# KiCad board SP110Duo.kicad_pcb (continued)
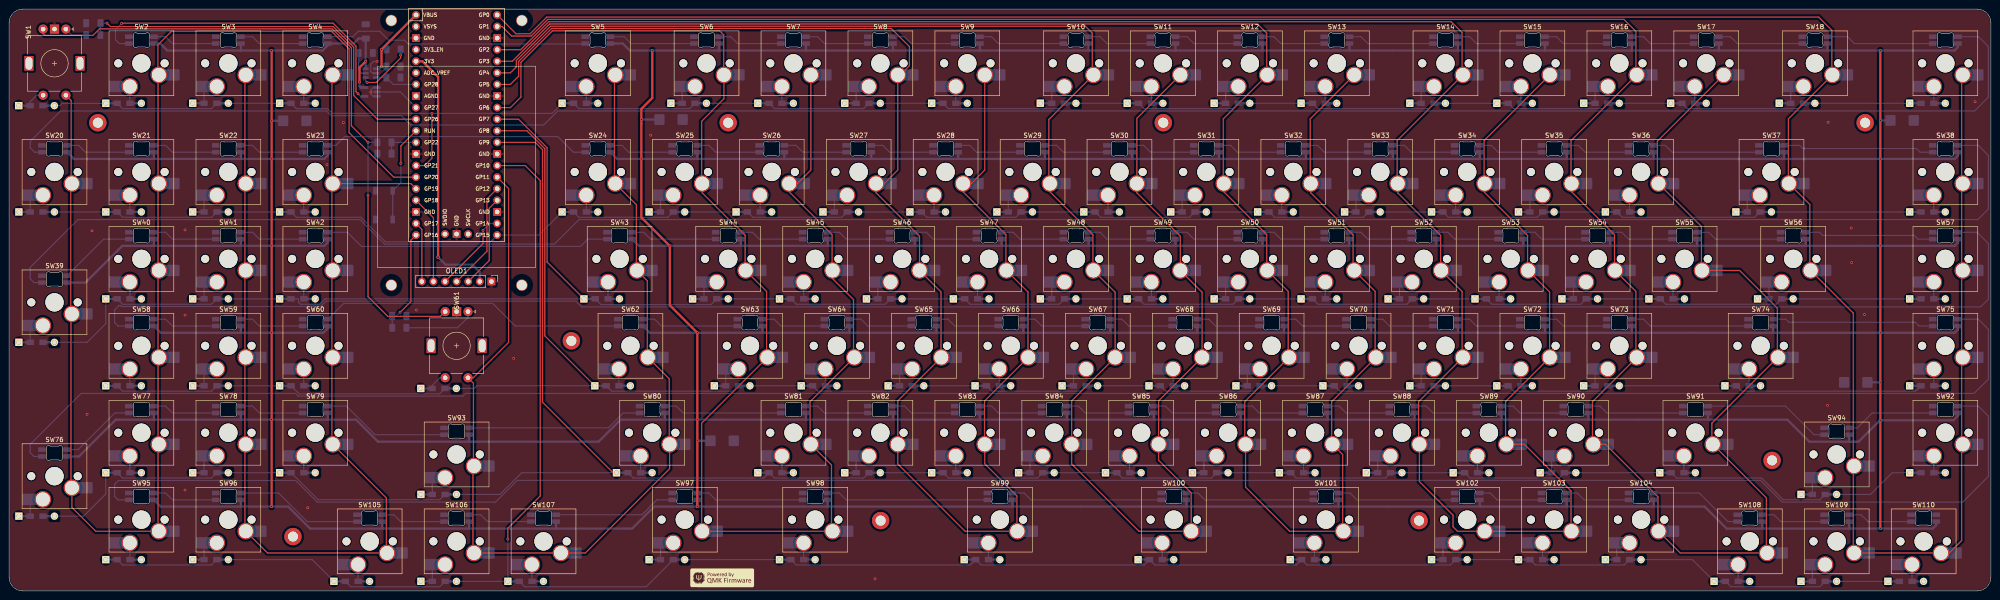
[diagram p0: board, top side]
## Routing (per net, layer and track width the routed paths; a pad name or vN(x,y) marks a point on that pad's centre or on a via; arc(x,y) is an arc through that point) (continued)
Net-(D12-K): length 3.7
  Bottom w0.25: D12.1 SW12.2
Net-(D13-A): length 3.7
  Bottom w0.25: D13.2 288.39,106.88 SW13.2
Net-(D14-K): length 3.7
  Bottom w0.25: SW14.2 D14.1
Net-(D15-A): length 3.7
  Bottom w0.25: SW15.2 331.25,106.88 D15.2
Net-(D16-K): length 3.7
  Bottom w0.25: SW16.2 D16.1
Net-(D17-A): length 3.7
  Bottom w0.25: D17.2 369.35,106.88 SW17.2
Net-(D18-K): length 3.7
  Bottom w0.25: SW18.2 390.38,106.86
Net-(D19-A): length 3.7
  Bottom w0.25: SW19.2 421.74,106.88 D19.2
Net-(D20-K): length 3.7
  Bottom w0.25: SW20.2 D20.1
Net-(D21-A): length 3.7
  Bottom w0.25: D21.2 26.45,83.07 SW21.2
Net-(D22-K): length 3.7
  Bottom w0.25: SW22.2 D22.1
Net-(D23-A): length 3.7
  Bottom w0.25: D23.2 64.55,83.07 SW23.2 64.57,86.71
Net-(D24-A): length 3.7
  Bottom w0.25: D24.2 126.47,83.07 SW24.2
Net-(D25-K): length 3.7
  Bottom w0.25: SW25.2 142.74,83.05
Net-(D26-A): length 3.7
  Bottom w0.25: SW26.2 164.56,83.07 D26.2
Net-(D27-K): length 3.7
  Bottom w0.25: SW27.2 180.83,83.05
Net-(D28-A): length 3.7
  Bottom w0.25: D28.2 202.67,83.07 SW28.2
Net-(D29-K): length 3.7
  Bottom w0.25: D29.1 SW29.2
Net-(D30-A): length 3.7
  Bottom w0.25: SW30.2 240.79,86.71 D30.2
Net-(D31-K): length 3.7
  Bottom w0.25: D31.1 SW31.2
Net-(D32-A): length 3.7
  Bottom w0.25: D32.2 278.87,83.07 SW32.2
Net-(D33-K): length 3.7
  Bottom w0.25: SW33.2 D33.1
Net-(D34-A): length 3.7
  Bottom w0.25: SW34.2 316.96,83.07 D34.2
Net-(D35-K): length 3.7
  Bottom w0.25: SW35.2 D35.1
Net-(D36-A): length 3.7
  Bottom w0.25: SW36.2 355.06,83.07 D36.2
Net-(D37-K): length 3.7
  Bottom w0.25: D37.1 SW37.2
Net-(D38-A): length 3.7
  Bottom w0.25: D38.2 421.74,83.07 SW38.2
Net-(D39-K): length 3.7
  Bottom w0.25: SW39.2 D39.1
Net-(D40-A): length 3.7
  Bottom w0.25: D40.2 26.47,67.66 SW40.2
Net-(D41-K): length 3.7
  Bottom w0.25: SW41.2 D41.1
Net-(D42-A): length 3.7
  Bottom w0.25: D42.2 64.55,64.02 SW42.2 64.57,67.66
Net-(D43-A): length 3.7
  Bottom w0.25: SW43.2 131.23,64.02 D43.2
Net-(D44-K): length 3.7
  Bottom w0.25: SW44.2 D44.1
Net-(D45-A): length 3.7
  Bottom w0.25: SW45.2 174.09,64.02 D45.2
Net-(D46-K): length 3.7
  Bottom w0.25: SW46.2 D46.1
Net-(D47-A): length 3.7
  Bottom w0.25: D47.2 212.19,64.02 SW47.2 212.21,67.66
Net-(D48-K): length 3.7
  Bottom w0.25: D48.1 SW48.2
Net-(D49-A): length 3.7
  Bottom w0.25: SW49.2 250.29,64.02 D49.2
Net-(D50-K): length 3.7
  Bottom w0.25: SW50.2 D50.1
Net-(D51-A): length 3.7
  Bottom w0.25: D51.2 288.39,64.02 SW51.2
Net-(D52-K): length 3.7
  Bottom w0.25: D52.1 SW52.2
Net-(D53-A): length 3.7
  Bottom w0.25: D53.2 326.49,64.02 SW53.2
Net-(D54-K): length 3.7
  Bottom w0.25: SW54.2 D54.1
Net-(D55-A): length 3.7
  Bottom w0.25: D55.2 364.59,64.02 SW55.2
Net-(D56-K): length 3.7
  Bottom w0.25: SW56.2 D56.1
Net-(D57-A): length 3.7
  Bottom w0.25: D57.2 421.74,64.02 SW57.2
Net-(D58-A): length 3.7
  Bottom w0.25: D58.2 26.45,44.97 SW58.2
Net-(D59-K): length 3.7
  Bottom w0.25: SW59.2 D59.1
Net-(D60-A): length 3.7
  Bottom w0.25: D60.2 64.55,44.97 SW60.2
Net-(D61-K): length 4.2
  Bottom w0.25: D61.1 92.7,45.01 94.4,46.71 SW61.S1
Net-(D62-A): length 3.7
  Bottom w0.25: D62.2 133.61,44.97 SW62.2
Net-(D63-K): length 3.7
  Bottom w0.25: SW63.2 D63.1
Net-(D64-A): length 3.7
  Bottom w0.25: SW64.2 178.85,44.97 D64.2
Net-(D65-K): length 3.7
  Bottom w0.25: D65.1 SW65.2
Net-(D66-A): length 3.7
  Bottom w0.25: D66.2 216.95,44.97 SW66.2
Net-(D67-K): length 3.7
  Bottom w0.25: D67.1 SW67.2
Net-(D68-A): length 3.7
  Bottom w0.25: D68.2 255.05,44.97 SW68.2
Net-(D69-K): length 3.7
  Bottom w0.25: D69.1 SW69.2
Net-(D70-A): length 3.7
  Bottom w0.25: D70.2 293.15,44.97 SW70.2
Net-(D71-K): length 3.7
  Bottom w0.25: D71.1 SW71.2
Net-(D72-A): length 3.7
  Bottom w0.25: SW72.2 331.25,44.97 D72.2
Net-(D73-K): length 3.7
  Bottom w0.25: D73.1 SW73.2
Net-(D74-A): length 3.7
  Bottom w0.25: SW74.2 381.26,44.97 D74.2
Net-(D75-A): length 3.7
  Bottom w0.25: SW75.2 421.74,44.97 D75.2
Net-(D76-K): length 3.7
  Bottom w0.25: SW76.2 D76.1
Net-(D77-A): length 3.7
  Bottom w0.25: D77.2 26.45,25.92 SW77.2
Net-(D78-K): length 3.7
  Bottom w0.25: D78.1 SW78.2
Net-(D79-A): length 3.7
  Bottom w0.25: D79.2 64.55,25.92 SW79.2
Net-(D80-A): length 3.7
  Bottom w0.25: SW80.2 138.37,25.92 D80.2
Net-(D81-A): length 3.7
  Bottom w0.25: D81.2 169.33,25.92 SW81.2
Net-(D82-K): length 3.7
  Bottom w0.25: SW82.2 D82.1
Net-(D83-A): length 3.7
  Bottom w0.25: SW83.2 207.43,25.92 D83.2
Net-(D84-K): length 3.7
  Bottom w0.25: D84.1 SW84.2
Net-(D85-A): length 3.7
  Bottom w0.25: D85.2 245.53,25.92 SW85.2
Net-(D86-K): length 3.7
  Bottom w0.25: D86.1 SW86.2
Net-(D87-A): length 3.7
  Bottom w0.25: SW87.2 283.63,25.92 D87.2
Net-(D88-K): length 3.7
  Bottom w0.25: D88.1 SW88.2
Net-(D89-A): length 3.7
  Bottom w0.25: SW89.2 321.73,25.92 D89.2
Net-(D90-K): length 3.7
  Bottom w0.25: D90.1 SW90.2
Net-(D91-A): length 3.7
  Bottom w0.25: SW91.2 366.97,25.92 D91.2
Net-(D92-A): length 3.7
  Bottom w0.25: SW92.2 421.74,25.92 D92.2
Net-(D93-K): length 3.7
  Bottom w0.25: D93.1 SW93.2
Net-(D94-K): length 3.7
  Bottom w0.25: SW94.2 D94.1
Net-(D95-A): length 3.7
  Bottom w0.25: D95.2 26.45,6.87 SW95.2
Net-(D96-K): length 3.7
  Bottom w0.25: SW96.2 D96.1
Net-(D97-K): length 3.7
  Bottom w0.25: SW97.2 142.74,6.85
Net-(D98-A): length 3.7
  Bottom w0.25: D98.2 174.09,6.87 SW98.2
Net-(D99-A): length 3.7
  Bottom w0.25: SW99.2 214.57,6.87 D99.2
Net-(D100-A): length 3.7
  Bottom w0.25: SW100.2 252.67,6.87 D100.2
Net-(D101-A): length 3.7
  Bottom w0.25: D101.2 286.01,6.87 SW101.2
Net-(D102-K): length 3.7
  Bottom w0.25: D102.1 SW102.2
Net-(D103-A): length 3.7
  Bottom w0.25: SW103.2 336.01,6.87 336.04,6.85
Net-(D104-K): length 3.7
  Bottom w0.25: SW104.2 D104.1
Net-(D105-A): length 3.7
  Bottom w0.25: D105.2 76.46,2.11 SW105.2 76.48,5.75
Net-(D106-K): length 3.7
  Bottom w0.25: SW106.2 D106.1
Net-(D107-A): length 3.7
  Bottom w0.25: D107.2 114.56,2.11 SW107.2
Net-(D108-A): length 3.7
  Bottom w0.25: SW108.2 378.88,2.11 D108.2
Net-(D109-K): length 3.7
  Bottom w0.25: SW109.2 D109.1
Net-(D110-A): length 3.7
  Bottom w0.25: SW110.2 416.98,2.11 D110.2
Net-(SW2-DOUT): length 14.2
  Bottom w0.25: SW3.5 35.78,119.95 34.28,121.45 SW2.4
Net-(SW3-DOUT): length 14.2
  Bottom w0.25: SW3.4 53.33,121.45 54.83,119.95 SW4.5
Net-(SW4-DOUT): length 58.1
  Bottom w0.25: SW5.5 126.17,119.87 87.44,119.87 86.63,120.68 83.18,120.68 81.19,122.66 76.52,122.66 75.31,121.45 SW4.4
Net-(SW5-DOUT): length 18.9
  Bottom w0.25: SW5.4 134.75,121.45 136.25,119.95 SW6.5
Net-(SW6-DOUT): length 14.2
  Bottom w0.25: SW6.4 158.1,121.45 159.6,119.95 SW7.5
Net-(SW7-DOUT): length 14.2
  Bottom w0.25: SW8.5 178.65,119.95 177.15,121.45 SW7.4
Net-(SW8-DOUT): length 14.2
  Bottom w0.25: SW8.4 196.2,121.45 197.7,119.95 SW9.5
Net-(SW10-DIN): length 18.9
  Bottom w0.25: SW9.4 215.25,121.45 216.75,119.95 SW10.5
Net-(SW10-DOUT): length 14.2
  Bottom w0.25: SW10.4 239.07,121.45 240.57,119.95 SW11.5
Net-(SW11-DOUT): length 14.2
  Bottom w0.25: SW11.4 258.12,121.45 259.62,119.95 SW12.5
Net-(SW12-DOUT): length 14.2
  Bottom w0.25: SW13.5 278.67,119.95 277.17,121.45 SW12.4
Net-(SW13-DOUT): length 18.9
  Bottom w0.25: SW13.4 296.22,121.45 297.72,119.95 SW14.5
Net-(SW14-DOUT): length 14.2
  Bottom w0.25: SW14.4 320.03,121.45 321.53,119.95 SW15.5
Net-(SW15-DOUT): length 14.2
  Bottom w0.25: SW16.5 340.58,119.95 339.08,121.45 SW15.4
Net-(SW16-DOUT): length 14.2
  Bottom w0.25: SW16.4 358.13,121.45 359.63,119.95 SW17.5
Net-(SW17-DOUT): length 18.9
  Bottom w0.25: SW17.4 377.18,121.45 378.68,119.95 SW18.5
Net-(SW18-DOUT): length 23.7
  Bottom w0.25: SW18.4 402.85,121.45 404.34,119.96 421.53,119.96
Net-(SW19-DOUT): length 458.7
  Bottom w0.25: 427.03,121.46 431.54,121.46 433.71,119.29 433.71,108.21 430.69,105.19 120.22,105.19 117.13,102.1 88,102.1 85.95,104.15 70.6,104.15 69.58,105.17 11.28,105.17 4.62,98.52 4.62,97.11 5.59,96.14 SW20.5
Net-(SW20-DOUT): length 14.2
  Bottom w0.25: SW21.5 16.73,96.14 15.23,97.64 SW20.4
Net-(SW21-DOUT): length 14.2
  Bottom w0.25: SW21.4 34.28,97.64 35.78,96.14 SW22.5
Net-(SW22-DOUT): length 14.2
  Bottom w0.25: SW22.4 53.33,97.64 54.83,96.14 SW23.5
Net-(SW23-DOUT): length 58.6
  Bottom w0.25: SW24.5 123.65,96.14 120.22,99.58 73.54,99.58 71.61,97.64 SW23.4
Net-(SW24-DOUT): length 14.2
  Bottom w0.25: SW24.4 134.29,97.64 135.79,96.14 SW25.5
Net-(SW25-DOUT): length 14.2
  Bottom w0.25: SW25.4 153.34,97.64 154.84,96.14 SW26.5
Net-(SW26-DOUT): length 14.2
  Bottom w0.25: SW26.4 172.39,97.64 173.89,96.14 SW27.5
Net-(SW27-DOUT): length 14.2
  Bottom w0.25: SW28.5 192.94,96.14 191.44,97.64 SW27.4
Net-(SW28-DOUT): length 14.2
  Bottom w0.25: SW29.5 211.99,96.14 210.49,97.64 SW28.4
Net-(SW29-DOUT): length 14.2
  Bottom w0.25: SW29.4 229.54,97.64 231.04,96.14 SW30.5
Net-(SW30-DOUT): length 14.2
  Bottom w0.25: SW31.5 250.09,96.14 248.59,97.64 SW30.4
Net-(SW31-DOUT): length 14.2
  Bottom w0.25: SW31.4 267.64,97.64 269.14,96.14 SW32.5
Net-(SW32-DOUT): length 14.2
  Bottom w0.25: SW32.4 286.69,97.64 288.19,96.14 SW33.5
Net-(SW33-DOUT): length 14.2
  Bottom w0.25: SW33.4 305.74,97.64 307.24,96.14 SW34.5
Net-(SW34-DOUT): length 14.2
  Bottom w0.25: SW34.4 324.79,97.64 326.29,96.14 SW35.5
Net-(SW35-DOUT): length 14.2
  Bottom w0.25: SW36.5 345.34,96.14 343.84,97.64 SW35.4
Net-(SW36-DOUT): length 23.7
  Bottom w0.25: SW36.4 362.89,97.64 364.39,96.14 SW37.5
Net-(SW37-DOUT): length 33.2
  Bottom w0.25: SW38.5 418.76,96.14 417.94,96.96 393.05,96.96 392.37,97.64 SW37.4
Net-(SW38-DOUT): length 463.6
  Bottom w0.25: SW38.4 431.48,97.64 433.69,95.43 ; SW39.5 5.46,67.57 4.62,68.4 4.62,70.91 15.09,81.37 76.87,81.37 82.24,76 119.5,76 124.87,81.37 431.39,81.37 433.71,83.69 433.71,95.43
Net-(SW39-DOUT): length 16.9
  Bottom w0.25: SW40.5 20.72,77.09 SW39.4
Net-(SW40-DOUT): length 14.2
  Bottom w0.25: SW41.5 35.78,77.09 34.28,78.59 SW40.4
Net-(SW41-DOUT): length 14.2
  Bottom w0.25: SW42.5 54.83,77.09 53.33,78.59 SW41.4
Net-(SW42-DOUT): length 63.1
  Bottom w0.25: SW43.5 126.81,77.09 125.22,75.5 77.2,75.5 74.11,78.59 SW42.4
Net-(SW43-DOUT): length 18.9
  Bottom w0.25: SW44.5 140.55,77.09 139.05,78.59 SW43.4
Net-(SW44-DOUT): length 14.2
  Bottom w0.25: SW45.5 164.37,77.09 162.87,78.59 SW44.4
Net-(SW45-DOUT): length 14.2
  Bottom w0.25: SW45.4 181.92,78.59 183.42,77.09 SW46.5
Net-(SW46-DOUT): length 14.2
  Bottom w0.25: SW47.5 202.47,77.09 200.97,78.59 SW46.4
Net-(SW47-DOUT): length 14.2
  Bottom w0.25: SW48.5 221.52,77.09 220.02,78.59 SW47.4
Net-(SW48-DOUT): length 14.2
  Bottom w0.25: SW48.4 239.07,78.59 240.57,77.09 SW49.5
Net-(SW49-DOUT): length 14.2
  Bottom w0.25: SW49.4 258.12,78.59 259.62,77.09 SW50.5
Net-(SW50-DOUT): length 14.2
  Bottom w0.25: SW51.5 278.67,77.09 277.17,78.59 SW50.4
Net-(SW51-DOUT): length 14.2
  Bottom w0.25: SW51.4 296.22,78.59 297.72,77.09 SW52.5
Net-(SW52-DOUT): length 14.2
  Bottom w0.25: SW53.5 316.77,77.09 315.27,78.59 SW52.4
Net-(SW53-DOUT): length 14.2
  Bottom w0.25: SW53.4 334.32,78.59 335.82,77.09 SW54.5
Net-(SW54-DOUT): length 14.2
  Bottom w0.25: SW55.5 354.87,77.09 353.37,78.59 SW54.4
Net-(SW55-DOUT): length 18.9
  Bottom w0.25: SW55.4 372.42,78.59 373.92,77.09 SW56.5
Net-(SW56-DOUT): length 28.5
  Bottom w0.25: SW56.4 396.68,78.59 397.37,77.91 417.44,77.91 418.25,77.09 SW57.5
Net-(SW57-DOUT): length 438.8
  Bottom w0.25: 433.71,63.94 433.71,76.13 ; 433.69,63.94 431.99,62.24 125.47,62.24 124.21,63.5 69.41,63.5 68.23,62.32 24.64,62.32 24.46,62.5 24.03,62.5 23.12,61.59 23.12,58.8 23.87,58.04 SW58.5 ; 433.69,76.13 431.23,78.59 SW57.4
Net-(SW58-DOUT): length 14.2
  Bottom w0.25: SW59.5 35.78,58.04 34.28,59.54 SW58.4
Net-(SW59-DOUT): length 14.2
  Bottom w0.25: SW60.5 54.83,58.04 53.33,59.54 SW59.4
Net-(SW60-DOUT): length 67
  Bottom w0.25: SW62.5 110.92,58.04 105.96,63 73.3,63 SW60.4
Net-(SW62-DOUT): length 21.3
  Bottom w0.25: SW63.5 142.94,58.04 141.44,59.54 SW62.4
Net-(SW63-DOUT): length 14.2
  Bottom w0.25: SW63.4 167.63,59.54 169.13,58.04 SW64.5
Net-(SW64-DOUT): length 14.2
  Bottom w0.25: SW65.5 188.18,58.04 186.68,59.54 SW64.4
Net-(SW65-DOUT): length 14.2
  Bottom w0.25: SW65.4 205.73,59.54 207.23,58.04 SW66.5
Net-(SW66-DOUT): length 14.2
  Bottom w0.25: SW66.4 224.78,59.54 226.28,58.04 SW67.5
Net-(SW67-DOUT): length 14.2
  Bottom w0.25: SW68.5 245.33,58.04 243.83,59.54 SW67.4
Net-(SW68-DOUT): length 14.2
  Bottom w0.25: SW69.5 264.38,58.04 262.88,59.54 SW68.4
Net-(SW69-DOUT): length 14.2
  Bottom w0.25: SW69.4 281.93,59.54 283.43,58.04 SW70.5
Net-(SW70-DOUT): length 14.2
  Bottom w0.25: SW70.4 300.98,59.54 302.48,58.04 SW71.5
Net-(SW71-DOUT): length 14.2
  Bottom w0.25: SW71.4 320.03,59.54 321.53,58.04 SW72.5
Net-(SW72-DOUT): length 14.2
  Bottom w0.25: SW72.4 339.08,59.54 340.58,58.04 SW73.5
Net-(SW73-DOUT): length 26.1
  Bottom w0.25: SW74.5 359.63,58.04 358.13,59.54 SW73.4
Net-(SW74-DOUT): length 35.6
  Bottom w0.25: SW74.4 389.32,59.54 390,58.86 417.69,58.86 418.5,58.04 SW75.5
Net-(SW75-DOUT): length 458.7
  Bottom w0.25: SW75.4 431.48,59.54 433.69,57.33 ; SW76.5 5.43,29.47 4.62,30.28 4.62,32.12 15.77,43.27 62.74,43.27 63.33,42.69 99.42,42.69 100.01,43.27 430.56,43.27 433.69,46.41 ; 433.71,46.41 433.71,57.33
Net-(SW76-DOUT): length 16.9
  Bottom w0.25: SW76.4 15.15,30.97 23.18,38.99 SW77.5
Net-(SW77-DOUT): length 14.2
  Bottom w0.25: SW77.4 34.28,40.49 35.78,38.99 SW78.5
Net-(SW78-DOUT): length 14.2
  Bottom w0.25: SW79.5 54.83,38.99 53.33,40.49 SW78.4
Net-(SW79-DOUT): length 28.1
  Bottom w0.25: SW93.5 80.17,34.23 73.91,40.49 SW79.4
Net-(SW80-DIN): length 38.7
  Bottom w0.25: SW80.5 134.57,38.99 131.3,35.73 SW93.4
Net-(SW80-DOUT): length 26.1
  Bottom w0.25: SW81.5 147.7,38.99 146.2,40.49 SW80.4
Net-(SW81-DOUT): length 14.2
  Bottom w0.25: SW82.5 178.65,38.99 177.15,40.49 SW81.4
Net-(SW82-DOUT): length 14.2
  Bottom w0.25: SW83.5 197.7,38.99 196.2,40.49 SW82.4
Net-(SW83-DOUT): length 14.2
  Bottom w0.25: SW83.4 215.25,40.49 216.75,38.99 SW84.5
Net-(SW84-DOUT): length 14.2
  Bottom w0.25: SW85.5 235.8,38.99 234.3,40.49 SW84.4
Net-(SW85-DOUT): length 14.2
  Bottom w0.25: SW85.4 253.35,40.49 254.85,38.99 SW86.5
Net-(SW86-DOUT): length 14.2
  Bottom w0.25: SW87.5 273.9,38.99 272.4,40.49 SW86.4
Net-(SW87-DOUT): length 14.2
  Bottom w0.25: SW87.4 291.45,40.49 292.95,38.99 SW88.5
Net-(SW88-DOUT): length 14.2
  Bottom w0.25: SW89.5 312,38.99 310.5,40.49 SW88.4
Net-(SW89-DOUT): length 14.2
  Bottom w0.25: SW89.4 329.55,40.49 331.05,38.99 SW90.5
Net-(SW90-DOUT): length 21.3
  Bottom w0.25: SW91.5 350.1,38.99 348.6,40.49 SW90.4
Net-(SW91-DOUT): length 28.1
  Bottom w0.25: SW94.5 395.5,34.23 389.24,40.49 SW91.4
Net-(SW92-DIN): length 19.7
  Bottom w0.25: SW94.4 404.98,35.73 408.24,38.99 SW92.5
Net-(SW92-DOUT): length 446
  Bottom w0.25: 433.69,25.07 428.08,19.46 388.56,19.46 383.8,24.22 111.35,24.22 106.59,19.46 67.5,19.46 62.78,24.19 23.94,24.19 23.12,23.36 23.12,20.7 23.87,19.94 SW95.5 ; 433.71,25.07 433.71,38.28 ; SW92.4 431.48,40.49 433.69,38.28
Net-(SW95-DOUT): length 14.2
  Bottom w0.25: SW96.5 35.78,19.94 34.28,21.44 SW95.4
Net-(SW97-DOUT): length 23.7
  Bottom w0.25: SW97.4 153.34,21.44 154.84,19.94 SW98.5
Net-(SW98-DOUT): length 35.6
  Bottom w0.25: SW99.5 183.42,19.94 181.92,21.44 SW98.4
Net-(SW100-DIN): length 33.2
  Bottom w0.25: SW99.4 222.4,21.44 223.9,19.94 SW100.5
Net-(SW100-DOUT): length 28.5
  Bottom w0.25: SW101.5 262,19.94 260.5,21.44 SW100.4
Net-(SW101-DOUT): length 26.1
  Bottom w0.25: SW101.4 293.84,21.44 295.34,19.94 SW102.5
Net-(SW102-DOUT): length 14.2
  Bottom w0.25: SW103.5 326.05,19.94 324.55,21.44 SW102.4
Net-(SW103-DOUT): length 14.2
  Bottom w0.25: SW104.5 345.1,19.94 343.6,21.44 SW103.4
Net-(SW104-DOUT): length 20.9
  Bottom w0.25: SW108.5 376.59,15.18 370.33,21.44 SW104.4
Net-(SW105-DIN): length 28.1
  Bottom w0.25: SW96.4 59.06,21.44 65.32,15.18 SW105.5
Net-(SW105-DOUT): length 14.2
  Bottom w0.25: SW106.5 85.79,15.18 84.29,16.68 SW105.4
Net-(SW106-DOUT): length 14.2
  Bottom w0.25: SW107.5 104.84,15.18 103.34,16.68 SW106.4
Net-(SW107-DOUT): length 26.8
  Bottom w0.25: SW97.5 141.93,19.94 138.66,16.68 SW107.4
Net-(SW108-DOUT): length 14.2
  Bottom w0.25: SW108.4 386.7,16.68 388.2,15.18 SW109.5
Net-(SW109-DOUT): length 14.2
  Bottom w0.25: SW110.5 407.31,15.18 405.81,16.68 SW109.4

## Copper pours and planes (outline as drawn; the poured copper is in the pictures)
GND on Top, Bottom: -87.38,236.96 527.3,236.96 527.3,-206.27 -88.64,-206.27

## Text on the board
B.Silkscreen: JLCJLCJLCJLC
